# Altium PCB 400442.PcbDoc (part 4 of 4)
Units mil, origin at the board's own origin, x right, y up, seen from the top; angles counter-clockwise.
Board outline 5375 x 2500 mil, 4 copper layers (Top Layer, Mid-Layer 1, Mid-Layer 2, Bottom Layer), stack 59.252 mil thick; 333 components, 216 nets, 1371 pads, 1287 vias.
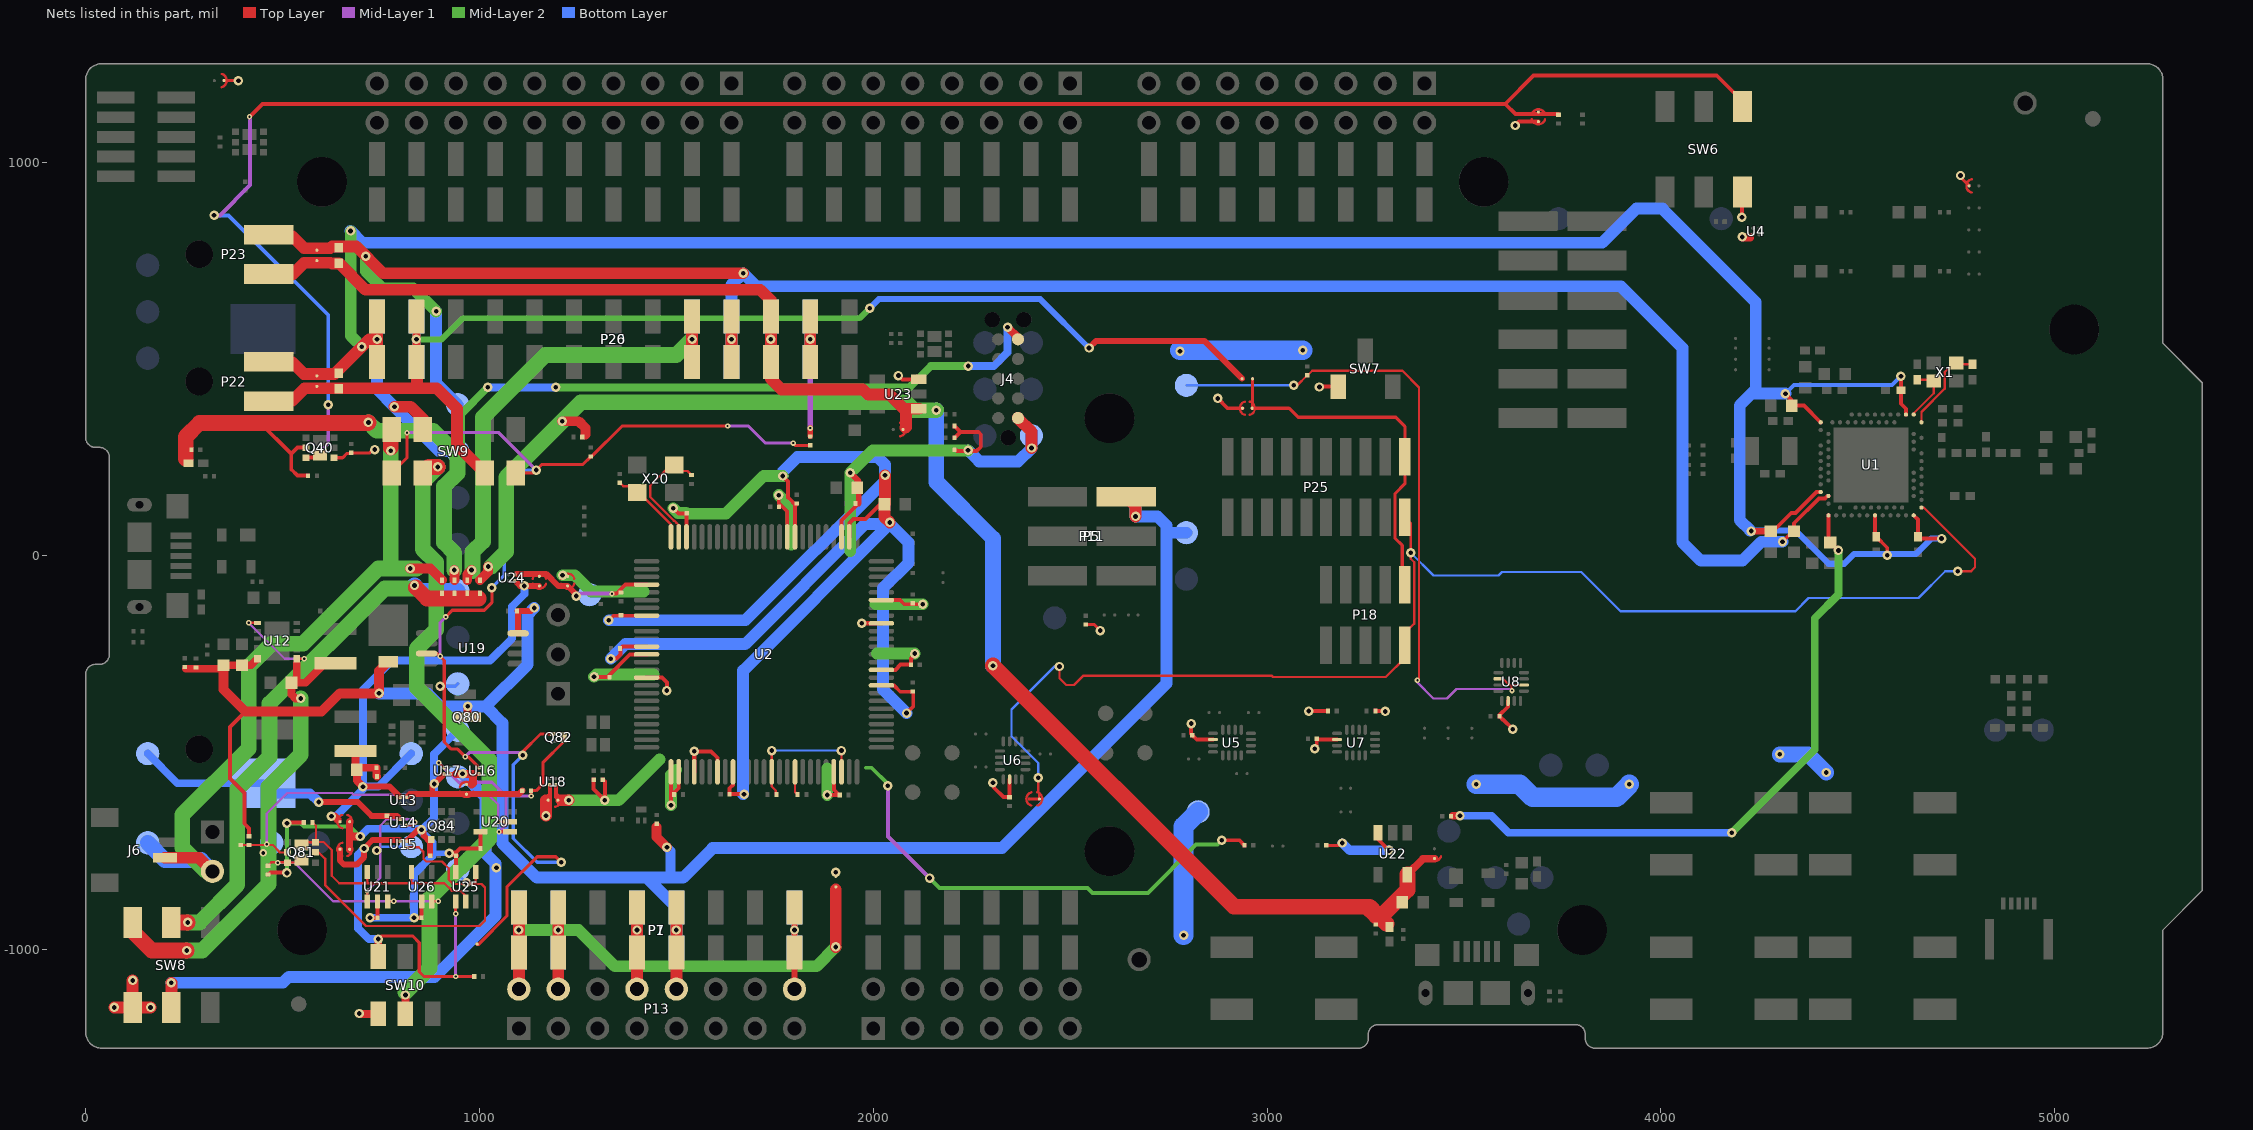
[diagram p6: the nets of this part, all layers, seen from the top]

## Via types
v1: diameter 24, hole 12, Top Layer to Bottom Layer, tented both sides, 1085 vias
v2: diameter 13.78, hole 5.91, Top Layer to Mid-Layer 1, tented both sides, 161 vias
v3: diameter 13.78, hole 5.91, Top Layer to Mid-Layer 1, tented top, 32 vias
v4: diameter 23.62, hole 11.81, Top Layer to Bottom Layer, tented both sides, 8 vias
v5: diameter 19.68, hole 9.84, Top Layer to Bottom Layer, tented both sides, 1 vias

## Nets (pads, with @x,y where several pads share a name; then routed paths per layer and width w, separated by ;. In a path a pad name is that pad's centre, name@x,y a point inside that pad or via, vN(x,y) a via of type N, cw(c..) or ccw(c..) an arc to the next point about the centre after c; other vN are vias at no path point) (continued)
SWDIO: P18.2 P25.2 SB54.1 U1.AC24 | length 3506
  Top Layer w5.91: v1(2419,-563) 2419,-600.19 2421,-602.19 2421,-615.7 SB54.1@2422.3,-617 ; v1(2472.85,-280.85) 2472.85,-310.55 2490.3,-328 2510,-328 2534.08,-303.92 3011.72,-303.92 3015.31,-307.51 3058.34,-307.51 3058.53,-307.32 3301.68,-307.32 3350,-259 P18.2@3350,-226.77 3350,-195.96 3373.96,-172 3373.96,-16 3365,-7.04 v1(3365,8) 3365,83.23 P25.2@3350,98.23 ; U1.AC24@4661.95,122.73 4667.9,122.73 4797.99,-7.36 4797.99,-29.04 4788.03,-39 v1(4754,-39)
  Bottom Layer w5.91: v1(2419,-563) 2419,-525.84 2351,-457.84 2351,-389.97 2460.12,-280.85 v1(2472.85,-280.85) ; v1(3365,8) 3422.91,-49.91 3587.66,-49.91 3596.8,-40.76 3798.2,-40.76 3897.72,-140.28 4342.11,-140.28 4375.31,-107.08 4654.06,-107.08 4722.14,-39 v1(4754,-39)
TCKOUT: R28.1 U2.14 U2.23 | length 347.9
  Top Layer w5.91: v1(1742.29,-494.23) 1742.29,-585.61 1752.48,-595.79 1752.48,-604.26 R28.1@1754.22,-606 ; v1(1919.29,-494.23) 1919.29,-547.76 1919.61,-548.08 U2.23@1919.46,-548.23
  Bottom Layer w5.91: v1(1742.29,-494.23) v1(1919.29,-494.23)
TMSOUT: R29.1 U2.17 | length 60.8
  Top Layer w5.91: U2.17@1801.35,-548.23 1801.35,-599.57 1804.87,-603.09 1805.46,-603.09 1807.78,-605.41 R29.1@1807.78,-606
TRACE_SW: R4.1 TP23.1 U8.2 U8.10 | length 1726.4
  Top Layer w5.91: v1(3067.93,433.07) 3076.29,433.07 R4.1@3102,458.78 3103.51,458.78 3114.95,470.22 3343.78,470.22 3386,428 3386,-312 v2(3382,-316) ; U8.10@3587.52,-312.13 3599.13,-312.13 3614.87,-327.87 3621,-327.87 ; v2@3621,-340 3621,-327.87 ; U8.2@3652.48,-327.87 3621,-327.87
  Mid-Layer 1 w5.91: v2(3382,-316) 3382,-321.7 3422.3,-362 3457,-362 3481,-338 3619,-338 v2@3622,-341
  Bottom Layer w5.91: TP23.1@2795.28,433.07 v1(3067.93,433.07)
  other v2: 3622,-342
USB_DETECT: Q40.3 R26.1 SB31.2 SW6.3 | length 5122.8
  Top Layer w10: v2(416,1115) 449,1148 3605,1148 ; Q40.3@557.6,249.41 580.41,249.41 v2(595,264) ; R26.1@3740,1121.68 3739.45,1122.23 3630.77,1122.23 3605,1148 ; SW6.3@4207.43,1131.27 4207.43,1154.57 4142,1220 3677,1220 3605,1148
  Mid-Layer 1 w10: v1(326,865) 341,865 417.48,941.48 v2@417.48,1113.52 ; v2@416,1113.52 v2(416,1115) ; v2(595,264) 616,285 v1(616,384)
  Bottom Layer w10: v1(326,865) 362.98,865 616,611.98 v1(616,384)
V5V: C81.2 C82.2 C83.2 C85.2 D84.1 P1.5 P5.2 P7.5 P11.2 P13.10 Q80.2 R80.2 R83.1 R93.1 TP36.1 U12.10 U19.8 | length 5346.4
  Top Layer w10: 406,-395 366,-435 366,-565 403.29,-602.29 403.29,-679.41 403.88,-679.99 403.88,-680.88 414.87,-691.87 R83.1@414.87,-711.78
  Top Layer w15: C85.2@1096.69,-140 1131,-140 v1(1139,-132) ; U19.8@1098.14,-196.61 C85.2@1098.14,-141.46
  Top Layer w20: C81.2@255,-286.5 C83.2@341.08,-286.5 ; C83.2@350,-277.57 C82.2@397,-277.57 419.7,-277.57 U12.10@434.64,-262.64 ; Q80.2@970.04,-410 v1(970.04,-382.04)
  Top Layer w25: C83.2@350,-277.57 350,-339 406,-395 599,-395 645,-349 v1(745,-349) 745,-291.96 D84.1@768,-268.96 ; 1450,-688.69 1450,-714 v1(1476,-740)
  Top Layer w30: P13.10@1500,-1100 P1.5@1500,-1007.68 v1(1500,-950) P1.5@1500,-892.32 ; P5.2@2642.5,150 2666.22,126.28 v1(2666.22,100.22)
  Bottom Layer w25: v1(1476,-740) 1485,-749 1485,-817
  Bottom Layer w30: v1(745,-349) 868,-349 901.04,-382.04 v1(970.04,-382.04) 1015.96,-382.04 ; v1(1139,-132) 1122,-149 1122,-276 1015.96,-382.04 ; P7.5@1500,-1007.68 v1(1500,-950) P7.5@1500,-892.32 1424.68,-817 ; P11.2@2666.22,150 v1(2666.22,100.22) 2721.78,100.22 2744.84,77.16 2744.84,-323.83 2326.67,-742 1592,-742 1517,-817 1485,-817 1424.68,-817 ; 2745,59.06 TP36.1@2795.28,59.06 ; 1015.96,-382.04 1058.31,-424.39 1058.31,-729.57 1145.74,-817 1424.68,-817
VBAT: Bat1.1 R95.1 TP26.1 U14.A1 | length 687
  Top Layer w15: v1(592,-625) 691,-625 726.31,-660.31 790.81,-660.31 U14.A1@796.25,-665.75
  Bottom Layer w20: TP26.1@157.48,-501.97 232.88,-577.37 Bat1.1@450,-577.37
  Bottom Layer w25: Bat1.1@459,-603 570,-603 v1(592,-625)
VBAT_EN: TP44.1 U14.B2 U21.4 | length 424.4
  Top Layer w5.91: v3(715,-851) 715,-876.99 U21.4@715.41,-877.4 ; U14.B2@814.87,-684.37 827.63,-684.37 v3(836,-676) ; v3@838.5,-678.5 v3@839,-678
  Mid-Layer 1 w5.91: v3(715,-851) 748,-818 748,-685 764,-669 829,-669 v3(836,-676) ; v3@836.5,-675.5 v3@839,-678
  Bottom Layer w5.91: v4(739,-748) 748.81,-738.19 TP44.1@826.77,-738.19
VBOOST_SRC: C80.2 L80.2 SW8.6 TP28.1 U12.1 U12.6 | length 1425
  Top Layer w5.91: v2(414,-170) U12.6@435.28,-170 ; U12.1@536,-261.28 v2(554.72,-261.28)
  Top Layer w20: 536,-273 536,-310.22 C80.2@524.22,-322 ; v1(546,-362) 533,-362 522.57,-351.57 C80.2@522.57,-322 C80.2@524.22,-322 ; L80.2@634,-272.31 607.69,-272.31 558,-322 C80.2@524.22,-322
  Top Layer w40: SW8.6@119.2,-930.73 119.2,-953.57 167.63,-1002 v1(256.63,-1002)
  Mid-Layer 1 w5.91: v2(414,-170) 505.28,-261.28 v2(554.72,-261.28)
  Mid-Layer 2 w40: v1(256.63,-1002) 296,-1002 464,-834 464,-587 546,-505 v1(546,-362)
  other v5: 451,-754
VBOOST_SRC': D80.1 D81.1 D82.1 D83.1 SW8.5 TP32.1 | length 1481.3
  Top Layer w40: SW8.5@217.62,-930.73 v1(258.9,-930.73) ; v1@839,-80 867,-108 998,-108
  Mid-Layer 2 w40: v1(258.9,-930.73) 289.27,-930.73 385,-835 385,-592 467,-510 467,-375 759.5,-82.5 v1@840,-82.5
  Bottom Layer w40: v1(835,-75) 848.58,-88.58 TP32.1@944.88,-88.58
VBUS: C69.2 D80.2 FB61.2 J4.5 Q40.2 R40.1 | length 3047.8
  Top Layer w10: 443.24,337.76 521,260 522,260 ; Q40.2@557.8,275 538,275 523,260 522,260 ; R40.1@564.78,204 538,204 522,220 522,260
  Top Layer w20: v1(2341.02,580.98) 2367.52,554.48 J4.5@2367.52,550
  Top Layer w25: v1(936,-36) 937,-37 D80.2@937,-61.59
  Top Layer w40: 253.8,246.5 253.8,302.8 288.76,337.76 443.24,337.76 716.76,337.76 v1(718,339)
  Mid-Layer 2 w20: 944,256 953,265 953,360 v1(1021,428) ; v1(1194,428) 2092,428 2146,482 v1(2241,482)
  Mid-Layer 2 w40: v1(718,339) 739,318 882,318 944,256 944,210 910,176 910,34 936,8 v1(936,-36)
  Bottom Layer w20: v1(1021,428) v1(1194,428) ; v1(2241,482) 2306,482 2341.02,517.02 v1(2341.02,580.98)
VBUS_nRF: C20.1 R98.2 U1.AD2 | length 1654.6
  Top Layer w9.84: U1.AD2@4425.73,103.05 4425.73,39.07 C20.1@4430.65,34.15 v1@4450.9,13.9
  Top Layer w20: R98.2@3472,-660 v1(3490,-660)
  Mid-Layer 2 w20: v1(4180,-703) 4391,-492 4391,-158.17 4451,-98.17 v1(4451,14)
  Bottom Layer w20: v1(3490,-660) 3570,-660 3613,-703 v1(4180,-703)
VBUS_NRF': C68.2 C91.2 D81.2 FB60.2 R97.1 SB80.2 U22.5 | length 3793.4
  Top Layer w20: U22.5@3356.4,-809.15 3396.55,-769 3411.66,-769 SB80.2@3425,-769
  Top Layer w25: D81.2@1001,-61.59 1022,-40.59 v1(1022,-27) ; v1(1210,342) 1252,342 1269.29,324.71 1269.29,308
  Top Layer w40: v1(2304,-278.61) 2916.39,-891 3253.29,-891 ; FB60.2@3303.56,-934 3291.17,-921.61 ; U22.5@3356.4,-809.15 3356.4,-848.6 3287.28,-917.72 ; 3253.29,-891 3260.56,-891 3280.13,-910.58 ; 3253.29,-891 3276.5,-914.21 3280.13,-910.58 ; 3280.13,-910.58 3287.28,-917.72 ; 3287.28,-917.72 3291.17,-921.61 ; 3287.28,-917.72 3291.17,-921.61
  Mid-Layer 2 w40: v1@1030,-27 1068,11 1068,200 v1(1210,342) 1258,390 2083,390 2103,370 v1(2160,370)
  Bottom Layer w40: v1(2160,370) 2160,188 2304,44 v1(2304,-278.61)
VCORE: C24.2 C26.2 C32.1 C33.2 C35.2 C39.2 C40.2 U2.9 U2.34 U2.52 U2.59 U2.73 U2.83 U2.87 | length 4749.1
  Top Layer w10: v1(1328.61,-163.47) 1340.08,-152 U2.83@1423.95,-152 ; v1(1333.61,-261) 1347.71,-261 1358.29,-250.42 1358.29,-235 1362.97,-230.32 U2.87@1424.38,-230.32 ; v1(1492,121) 1505,108 C32.1@1526.39,108 1526.07,107.68 1526.07,103.54 1525.76,103.22 U2.73@1525.76,48.23 ; U2.9@1643.87,-548.23 1643.52,-548.58 1643.52,-581.48 1635,-590 1635,-604.78 C33.2@1635.22,-605 v1(1672,-605) ; v1(1770,203) 1784,189 1784,148.64 1790,142.64 1799.23,133.4 C35.2@1803.46,129.17 ; U2.59@1801.35,48.23 1801.35,127.05 C35.2@1803.46,129.17 ; C35.2@1805.61,131.31 C35.2@1803.46,129.17 ; U2.52@1939.14,48.23 1939.14,83.11 1950.03,94 1980,94 2017,131 C39.2@2028.42,131 ; U2.34@2020.83,-328.74 2052.35,-328.74 2068.61,-345 C40.2@2099.94,-345 ; v1(2084.61,-399) 2101.61,-382 C40.2@2101.61,-345.22
  Top Layer w30: v1(2030,205) 2030,132.58 C39.2@2028.42,131 2028.42,98.58 v1(2042,85)
  Mid-Layer 2 w30: v1(1492,121) 1504,109 1524.33,109 1526.33,107 1626,107 1722,203 v1(1770,203)
  Bottom Layer w30: v1(1328.61,-163.47) 1675.53,-163.47 2030,191 v1(2030,205) 2030,232 2011,251 1807,251 1770,214 v1(1770,203) ; v1(1333.61,-261) 1370.61,-224 1674.61,-224 1980,81.39 v1@2042,81.39 ; v1@1669.92,-605 1669.61,-604.69 1669.61,-291 v1@2042,81.39 ; v1(2084.61,-399) 2024.61,-339 2024.61,-81.84 2089.61,-16.84 2089.61,33.79 v1@2042,81.39
VDBG: P18.1 P25.1 SB59.1 SB60.1 | length 905.1
  Top Layer w8: SB60.1@2963.3,450 2963.3,388.08 2963.3,376 SB59.1@2962.3,375 2969.17,375 3056,375 3079,352 3327,352 3350,329 P25.1@3350,251.77 3350,183 3325,158 3325,45 3343.29,26.71 3343.29,-66.52 P18.1@3350,-73.23
VDD: C42.2 C45.2 C48.2 C50.2 Q40.4 R41.1 R52.1 R53.1 R54.2 R68.2 SB9.1 SB31.1 SB37.2 SB38.2 SB47.1 SB59.2 SW6.6 SW7.3 SW8.3 SW10.6 TP37.1 U4.A2 U5.14 U6.14 U7.14 U8.14 U18.A2 U22.3 U23.3 | length 2713.4
  Top Layer w7.87: SB47.1@351.3,1207 v1(388,1207) ; Q40.4@632.2,249.41 652.41,249.41 663.4,260.4 672.62,260.4 R41.1@674,261.78 721.42,261.78 729.64,270 v1(734,270) ; R68.2@2540,-174.22 2561.22,-174.22 v1(2576.69,-189.69) ; R54.2@3150.22,-735 3185,-735 v1(3191,-729) ; v1(4761,966) 4761,961.77 SB9.1@4783.04,939.73
  Top Layer w10: 1178.78,-620.38 U18.A2@1178.78,-582.69 ; v1(2064,458) 2073.6,448.4 U23.3@2116.15,448.4 ; v1(2304,-576) 2306.68,-578.68 2306.68,-588.68 2330.78,-612.78 C45.2@2345.41,-612.78 ; C45.2@2346,-612.78 2346,-585.13 2346.13,-585 U6.14@2346.13,-567.23 ; v1(2807.31,-425.69) 2807.31,-451.5 2810.22,-454.41 C42.2@2810.22,-455 2810.22,-455.59 2810.54,-455.91 2811.13,-455.91 2821.47,-466.25 U5.14@2862.5,-466.25 ; v1(2875,400) 2900,375 2930.83,375 SB59.2@2937.7,375 ; v1@3106,-395 v1@3107,-394 ; v1(3106,-394) v1@3107,-394 ; v1(3121,-490) 3121,-486.21 3126.22,-480.99 3126.22,-464.59 3126.54,-464.91 3127.13,-464.91 3128.35,-466.13 U7.14@3177.77,-466.13 ; v1(3133,429) 3133.72,429.72 SW7.3@3181.1,429.72 ; R53.1@3154.78,-394 v1@3107,-394 ; R52.1@3276.13,-393.09 3275.54,-393.09 3275.22,-393.41 R52.1@3275.22,-394 3299,-394 v1(3300,-395) ; U22.3@3281.6,-702.85 3281.6,-719.6 v1(3310,-748) ; U8.14@3612.13,-368.23 3611.71,-368.65 3611.71,-383.04 3590.54,-404.22 3590.54,-406.69 C50.2@3590.22,-407 3590.22,-407.59 3590.54,-407.91 3591.13,-407.91 3598.45,-415.23 3599.23,-415.23 v1(3624,-440) ; v1(3630,1093) 3639.7,1102.7 SB31.1@3689,1102.7 ; v1(4206,860) 4206,913.31 SW6.6@4207.43,914.73 ; 4224.11,806.11 U4.A2@4233.75,815.75
  Top Layer w20: v1(695,-1162) 695.83,-1162.83 SW10.6@743.1,-1162.83 ; v1@4207,809 4227,809
  Top Layer w30: v1(72.77,-1146.54) v1(164.77,-1146.54) ; SW8.3@119.19,-1149.25 v1(119.19,-1077.98) ; 1168.48,-620.38 1169,-620.9 v1(1169,-660)
  Bottom Layer w24: v1(3191,-729) 3210,-748 v1(3310,-748)
  Bottom Layer w40: v1(4302,-504) 4374,-504 v1(4420,-550)
  Bottom Layer w50: v1@2779,522 v1(3091,522) ; v1(2788,-963) 2788,-687 TP37.1@2825,-650 ; v1(3531,-580) 3641.73,-580 3674.73,-613 3887,-613 v1(3920,-580)
  other v1: 1905,-803 2779,520 4207,810
VDD_HV: C18.1 P20.10 P23.1 P26.10 R91.2 SB41.1 TP25.1 U1.Y2 | length 5547.8
  Top Layer w9.84: v1(4309,36) 4335.69,62.69 C18.1@4338.13,62.69 4338.13,82.82 4401.33,146.02 4416.49,146.02 4422.73,152.26 U1.Y2@4425.73,152.26
  Top Layer w30: P23.1@464.99,813 522.99,813 554.69,781.3 621.29,781.3 625.99,786 687,786 755,718 v1(1670,718) ; P20.10@1640,492.32 v1(1640,550) P20.10@1640,607.68
  Mid-Layer 2 w30: v1(711,761) 711,723 755,679 832,679 v1(890,621)
  Bottom Layer w30: v1(890,621) 890,438.74 TP25.1@944.88,383.86 ; P26.10@1640,492.32 v1(1640,550) P26.10@1640,607.68 1640,688 v1(1670,718) 1703,685 3898.54,685 4055,528.54 4055,35 4101.91,-11.91 4207.19,-11.91 4255.09,36 v1(4309,36)
VDD_HV': P20.11 P23.2 P26.11 R91.1 SB41.2 SB81.1 U23.1 | length 2095.1
  Top Layer w30: P23.2@464.99,713 522.99,713 554.69,744.7 621.29,744.7 ; 626.38,742.64 643.66,742.64 710.31,676 1713,676 1740,649 P20.11@1740,607.68 v1(1740,550) P20.11@1740,492.32 1740,450 1767,423 1973.41,423 1986.41,410 2041,410 2077.4,373.6 ; 2081.6,325.42 2083,326.82 2083,368 2077.4,373.6 ; U23.1@2116.15,373.6 2077.4,373.6
  Bottom Layer w30: P26.11@1740,492.32 v1(1740,550) P26.11@1740,607.68
VDD_NRF: C6.1 C7.1 C8.1 C12.1 C13.1 P20.1 P22.1 P26.1 R90.2 SB40.1 SW9.6 TP24.1 U1.A22 U1.AD14 U1.AD23 U1.B1 U1.W1 | length 7275.3
  Top Layer w9.84: C6.1@4284.98,62.69 4331.24,108.95 4342.27,108.95 4395.42,162.1 U1.W1@4406.05,162.1 ; v1(4316.48,412.1) 4332.23,396.35 C13.1@4332.23,381.65 4363.66,381.65 U1.B1@4406.05,339.27 ; C7.1@4543.84,48.91 U1.AD14@4543.84,103.05 ; C7.1@4546.84,48.91 4575,20.75 v1@4575,10 ; C12.1@4609.79,420.96 4609.79,386.51 4622.58,373.72 U1.A22@4622.58,358.95 ; C12.1@4609.79,421.94 v1(4609.79,456.39) C12.1@4609.79,426.87 ; U1.AD23@4642.27,103.05 4653.09,92.22 C8.1@4653.09,48.91 4658.01,44 v1(4713,44)
  Top Layer w15.75: v1(4230,63) 4230.31,62.69 C6.1@4278.98,62.69
  Top Layer w30: P22.1@464.99,492.91 522.99,492.91 553.69,462.21 632.21,462.21 v1(701,531) 720,550 v1(740,550) ; P20.1@740,492.32 v1(740,550) ; P20.1@740,607.68 v1(740,550) ; v1(784,379) 825,379 856.26,347.74 SW9.6@856.26,321.12
  Mid-Layer 2 w30: v1@673,824.2 673,559 v1(701,531)
  Bottom Layer w9.84: v1(4316.48,412.1) 4338.13,433.75 4587.14,433.75 v1(4609.79,456.39)
  Bottom Layer w15.75: v1@4226.81,64.78 4341.31,64.78 4426,-19.91 4465.64,-19.91 4490.32,4.78 4647.78,4.78 4687,44 v1(4713,44)
  Bottom Layer w30: v1(672.6,825.2) 702.3,795.5 3851.5,795.5 3938,882 4004,882 4241.29,644.71 4241.29,422.96 ; P26.1@740,607.68 v1(740,550) P26.1@740,492.32 740,423 v1(784,379) 897.25,265.75 TP24.1@944.88,265.75 ; v1@4226.81,64.78 4200.48,91.1 4200.48,382.15 4241.29,422.96 ; v1(4316.48,412.1) 4241.29,412.1 4241.29,422.96
  other v1: 4575,2
VDD_NRF': P20.2 P22.2 P26.2 R90.1 SB40.2 SB60.2 SW9.3 | length 3240.7
  Top Layer w15: v1(2548,528) 2566,546 2840.7,546 SB60.2@2936.7,450
  Top Layer w20: P20.2@840,492.32 v1(840,550) P20.2@840,607.68
  Top Layer w30: P22.2@464.99,392.91 522.99,392.91 555.69,425.61 841,425.61 ; P20.2@840,492.32 841,491.32 841,425.61 ; SW9.3@1013.74,210.88 943,281.62 943,374 891.39,425.61 841,425.61
  Mid-Layer 2 w15: v1(840,550) 904.07,550 957.67,603.59 1965.59,603.59 v1(1991,629)
  Bottom Layer w15: v1(1991,629) 2014,652 2424,652 v1(2548,528)
  Bottom Layer w20: P26.2@840,492.32 v1(840,550) P26.2@840,607.68
VDD_NRF_SENSE: Q82.1 R88.1 R99.1 SB58.1 SW9.1 SW9.4 TP33.1 U16.B2 U19.3 | length 3353.7
  Top Layer w8: SW9.1@777.52,210.88 816,249.36 v2(816,313) ; U19.3@865.86,-247.8 892.8,-247.8 v2(900,-255) 910.57,-265.57 910.57,-472.57 928.77,-490.77 944.38,-490.77 v2(964,-510.39) 971.39,-510.39 U16.B2@999.13,-538.13 ; v2(914,-155) 931,-138 1012,-138 1031.5,-118.5 v1(1031.5,-80.5) ; SB58.1@994.3,-986 998.25,-986 1070.02,-914.24 1070.02,-840.24 1146.35,-763.91 1193.91,-763.91 v1(1208,-778) ; SW9.4@1092.48,210.88 1136.88,210.88 v1(1144,218) 1158,232 1262.22,232 1281.09,250.87 1281.09,251.46 1284.19,251.46 1362.73,330 v2(1630,330) ; v1(1110,-506) 1110,-497 1154.86,-452.14 Q82.1@1187.22,-452.14 ; v2(1796.52,286.52) 1803.02,280.02 1826.1,280.02 R99.1@1840,280.02
  Mid-Layer 1 w8: v2(816,313) 1049,313 v1(1144,218) ; v2(900,-255) 900,-169 v2(914,-155) ; v2(964,-510.39) 975.39,-499 1103,-499 v1(1110,-506) ; v2(1630,330) 1683,330 1726.48,286.52 v2(1796.52,286.52)
  Bottom Layer w8: v1(900,-331) 938.69,-331 TP33.1@944.88,-324.8 ; v1(1031.5,-80.5) 1063,-49 1063,179 1102,218 v1(1144,218) ; v1(1110,-506) 1085.87,-530.13 1085.87,-717.49 1146.38,-778 v1(1208,-778)
VDD_SAM: C25.2 C31.2 C34.2 C36.2 C37.2 C38.2 C41.2 C43.2 J4.1 R20.2 R21.2 R49.2 R64.2 R65.2 R66.2 SB37.1 SB49.1 TP35.1 U2.1 U2.2 U2.4 U2.7 U2.22 U2.36 U2.42 U2.45 U2.53 U2.60 U2.88 U2.91 U18.A1 | length 4784.3
  Top Layer w5.91: U2.88@1424.38,-250 U2.88@1431,-250
  Top Layer w10: 1194.78,-612.38 1194.78,-604.06 U18.A1@1194.78,-582.38 ; R20.2@1289.87,-568.22 1289.87,-592.22 v1(1318.34,-620.69) 1318.34,-573.22 1314.24,-569.13 1314.24,-568.54 1313.93,-568.22 R21.2@1313.34,-568.22 ; v1(1291,-307) 1324.61,-307 1381.61,-250 U2.88@1424.38,-250 ; U2.91@1424.38,-309.06 1464.06,-309.06 1475.94,-320.94 v1(1475.94,-342.06) ; U2.1@1486.39,-548.23 1486.39,-606 ; v1(1486.44,-633.23) 1486.44,-608.56 ; U2.2@1506.07,-548.23 1506.07,-588.93 1486.44,-608.56 ; v1(1545.44,-496.23) 1588.23,-496.23 1604.5,-512.5 U2.7@1604.5,-548.23 ; v1(1760,154.32) 1760,134.29 1781.66,112.63 U2.60@1781.66,48.23 ; v1(1883,-607) 1913.31,-607 1899.77,-593.46 U2.22@1899.77,-548.23 ; U2.53@1919.46,48.23 1919.46,89.85 1929.8,100.2 1959.18,129.57 C37.2@1959.18,133 ; U2.36@2020.83,-289.37 2056.24,-289.37 2069.61,-276 C41.2@2095.78,-276 2095.78,-260.86 2105.61,-251.03 v1(2105.61,-248) ; U2.42@2020.83,-171.26 U2.42@2021.57,-172 ; U2.45@2020.83,-112.21 2068.21,-112.21 2078.69,-122.69 v1(2125.61,-122.69) ; R65.2@2206.22,300 2206.22,300.59 2206.54,300.91 2207.13,300.91 2221.22,315 ; R66.2@2206.22,330 2206.22,329.41 2206.54,329.09 2207.13,329.09 2221.22,315 ; 2212.53,268 2212.69,268 2212.69,266 2262,266 2273,277 2273,309 2267,315 2221.22,315 ; v1(2885,-722) 2929.78,-722 2941.87,-734.09 2942.46,-734.09 2942.78,-734.41 R49.2@2942.78,-735 ; 1486.39,-606 1486.39,-608.61 1486.44,-608.56 ; 1486.39,-606 1486.44,-606.05 1486.44,-608.56
  Top Layer w12: U2.4@1545.44,-548.23 v1(1545.44,-496.23) ; v1(1970.83,-171.26) U2.42@2020.83,-171.26
  Top Layer w15: v1(1941.61,211) 1963.29,189.31 1963.29,133
  Top Layer w30: 1207.78,-620.38 v1(1226.78,-620.38) ; J4.1@2367.52,350 2402,315.52 v1(2402,274)
  Mid-Layer 1 w10: v1(2037,-584) 2037,-712 v1(2143,-818)
  Mid-Layer 2 w10: 1982,-538 1996,-538 2037,-579 v1(2037,-584) ; v1(2143,-818) 2168.09,-843.09 2544.28,-843.09 2556.69,-855.5 2697.35,-855.5 2819.76,-733.09 2873.91,-733.09 v1(2885,-722)
  Mid-Layer 2 w30: v1(1211,-49) 1242,-49 1283,-90 1417,-90 ; v1@1226.78,-620.69 v1(1318.34,-620.69) 1353.41,-620.69 1456.83,-517.26 ; v1(1291,-307) 1296.74,-301.26 1441.83,-301.26 ; v1(1486.44,-633.23) 1486.44,-555.56 1499,-543 ; v1(1760,154.32) 1791.83,122.49 1791.83,28.74 ; v1(1883,-607) 1883,-539.26 ; 1941.61,11.61 v1(1941.61,211) 1998.61,268 v1(2240.68,268) ; 2005.83,-122.69 v1(2125.61,-122.69) ; 2008.83,-248 v1(2105.61,-248)
  Bottom Layer w30: v1(2240.68,268) 2268.68,240 2368,240 v1(2402,274)
VDD_UTMI: C28.2 SB48.1 SB49.2 TP54.1 U2.79 U24.A1 | length 367.6
  Top Layer w10: v2(1336.61,-96) 1347.92,-96 1359.61,-84.32 ; 1359.92,-84 1371.09,-72.84 U2.79@1424.38,-72.84
  Top Layer w15: U24.A1@1094,-45.45 1169.45,-45.45 1200.3,-76.3 1210.1,-76.3 SB49.2@1224,-76.3 1229.86,-82.16 1246,-98.3 v1(1246,-102)
  Mid-Layer 1 w10: v1(1246,-102) 1252,-96 v2(1336.61,-96)
VEXT: R92.1 SB36.2 SW10.3 U15.A1 U25.1 | length 1075.5
  Top Layer w8: v1(743,-973) 751.09,-964.91 829.91,-964.91 847,-982 847,-1056 859,-1068 v3(940,-1068) R92.1@986.78,-1068 ; SW10.3@743.1,-1017.17 SW10.3@743.1,-1003.9 ; v3(939.41,-908.41) U25.1@939.41,-877.4
  Top Layer w15: SB36.2@645.8,-745 645.8,-758.9 645.8,-773.9 655.9,-784 688,-784 707,-765 v1(707,-743) 728.5,-721.5 U15.A1@796.5,-721.5
  Top Layer w20: v1(743,-973) 743,-1017.06 SW10.3@743.1,-1017.17
  Mid-Layer 1 w8: v3(939.41,-908.41) 939.41,-1067.41 v3(940,-1068)
  Bottom Layer w20: v1(707,-743) 692,-758 692,-946 719,-973 v1(743,-973)
VEXT_EN: Q81.5 TP46.1 U15.B2 U25.4 | length 976.8
  Top Layer w5.91: Q81.5@585.2,-753 592,-753 608,-769 608,-836 712,-940 1000,-940 1014,-926 1014,-842 1005,-833 991,-833 ; U15.B2@814.87,-739.87 845.87,-739.87 858,-752 858,-769.02 865,-776.02 905.02,-776.02 922,-793 922,-823 932,-833 991,-833 ; U25.4@990.59,-802.6 990.59,-832.59 991,-833
  Bottom Layer w5.91: TP46.1@944.88,-797.24 944.88,-807.88 v4(967,-830)
VEXT_EN_INV: Q81.3 R89.2 U21.6 U26.6 | length 573.6
  Top Layer w5.91: R89.2@463,-786.78 463.59,-786.78 465.91,-784.46 465.91,-783.87 471.46,-778.31 510.32,-778.31 Q81.3@510.6,-778.59 ; Q81.3@510.8,-778.59 541.11,-778.59 Q81.3@548,-771.7 ; Q81.3@549.41,-778.59 Q81.3@551,-777 ; U21.6@766.59,-877.4 781.6,-877.4 v2(782,-877) ; U26.6@878.59,-877.4 878.99,-877 v2(895,-877)
  Mid-Layer 1 w5.91: v2(488,-779) 530,-779 628,-877 v2(782,-877) v2(895,-877)
VIN: P1.8 P7.8 P13.16 | length 323
  Top Layer w15: P13.16@1800,-1100 P1.8@1800,-1007.68 v1(1800,-950) P1.8@1800,-892.32
  Bottom Layer w15: P7.8@1800,-1007.68 v1(1800,-950) P7.8@1800,-892.32
VIN3-5V: D83.2 P20.9 P26.9 | length 1266.9
  Top Layer w25: D83.2@969,-61.59 969,-47 v1(980,-36)
  Top Layer w30: P20.9@1540,492.32 v1(1540,550) P20.9@1540,607.68
  Mid-Layer 2 w40: v1@982,-38 982,9.84 1009,36.84 1009,352 1167,510 1500,510 v1@1534.25,544.25
  Bottom Layer w30: P26.9@1540,492.32 v1(1540,550) P26.9@1540,607.68
VIO: P1.1 P1.2 P1.4 P7.1 P7.2 P7.4 P13.2 P13.4 P13.8 SB38.1 | length 2128.6
  Top Layer w15: v1(1400,-950) P1.4@1400,-892.32
  Top Layer w30: P13.2@1100,-1100 P1.1@1100,-1007.68 P1.1@1100,-892.32 ; P13.4@1200,-1100 v1(1200,-950) P1.2@1200,-892.32 ; P13.8@1400,-1100 P1.4@1400,-892.32 ; v1(1905,-993) 1905,-847
  Mid-Layer 2 w30: v1(1100,-950) v1(1200,-950) 1252,-950 1344,-1042 1399,-1042 ; v1(1400,-950) 1400,-1041 1399,-1042 ; v1(1905,-993) 1856,-1042 1399,-1042